# KiCad board CPU2908C3bak.kicad_pcb (continued)
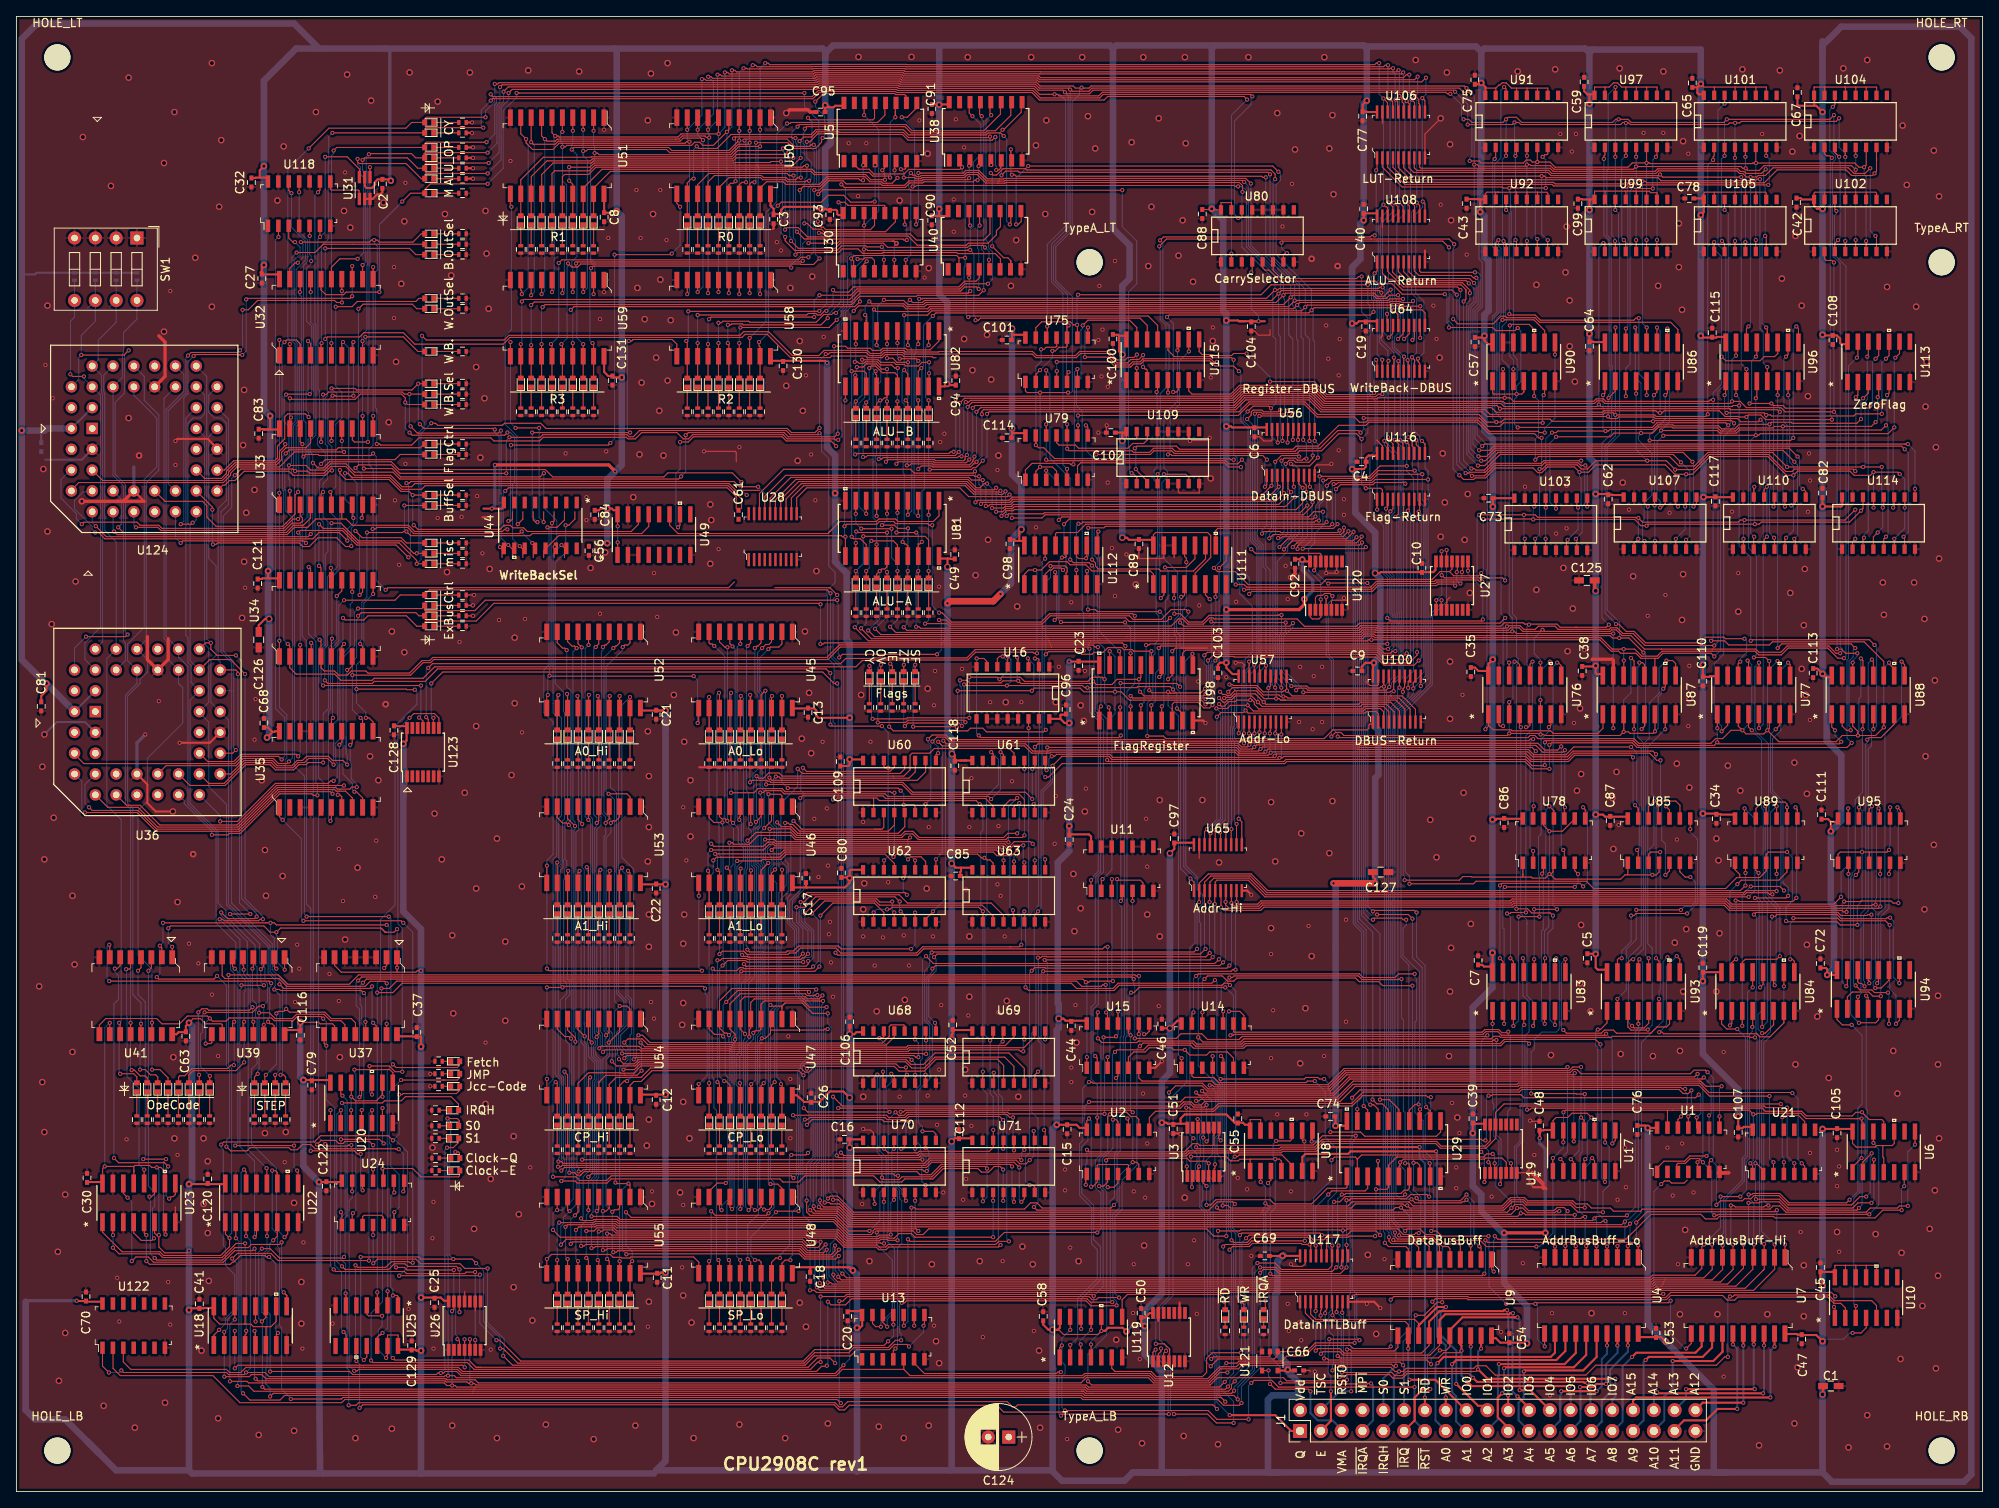
[diagram p0: board, top side]
## Routing (per net, layer and track width the routed paths; a pad name or vN(x,y) marks a point on that pad's centre or on a via; arc(x,y) is an arc through that point) (continued)
  Bottom w0.127: v1(100.06,127.56) 99.81,127.82 99.81,137.85 ; 99.81,137.85 99.81,138.17 ; 99.81,137.85 v1(99.81,139.75) ; v1(80.76,117.66) 80.51,117.91 80.51,124.26 81.01,124.76 v1(81.01,128.07)
Net-(U49-Pad11): length 37.8
  Top w0.127: 99.17,117.02 99.68,117.53 ; 99.17,117.02 100.52,118.37 104.96,118.37 105.27,118.67 107.32,118.67 107.63,118.37 111.92,118.37 112.62,119.06 U81.1 ; 99.17,117.02 99.05,116.89 80.76,116.89 79.74,117.91 79.74,118.67
Net-(U75-Pad3): length 153.5
  Top w0.127: U75.3 v1(125.7,136.82) ; 186.17,88.58 186.55,88.58 v1(186.55,88.63) ; 186.17,88.58 185,88.58 184.24,89.34 154.95,89.34 154.7,89.08 133.33,89.08 v1(133.14,89.27) ; 186.17,88.58 186.3,88.58 ; v1(131.28,112.99) 130.94,113.34 129.02,113.34 v1(128.64,113.72) ; v1(207.62,93.15) 207.62,94.54 207.74,94.54 ; 221.59,94.42 221.59,93.29 v1(221.98,92.89) ; v1(186.58,91.42) 186.78,91.62 197.34,91.62 197.92,91.05 207.23,91.05 v1(207.62,91.43) 207.8,91.24 222.49,91.24 v1(222.74,91.5)
  Bottom w0.127: v1(131.28,112.99) 131.53,112.74 131.53,99.69 131.94,99.29 131.94,95.43 133.14,94.23 v1(133.14,89.27) ; v1(186.58,91.42) 186.55,91.4 v1(186.55,88.63) ; v1(207.62,93.15) v1(207.62,91.43) ; v1(125.7,136.82) 126.14,136.38 126.14,126.12 128.64,123.63 v1(128.64,113.72) ; v1(221.98,92.89) 221.98,92.26 v1(222.74,91.5)
Net-(U75-Pad6): length 20.8
  Top w0.127: v1(129.02,125.34) 128.66,125.34 128.55,125.46 123.97,125.46 123.16,124.66 U79.1 ; U75.6 v1(129.51,136.98)
  Bottom w0.127: v1(129.51,136.98) 129.15,136.61 129.15,125.83 129.02,125.7 v1(129.02,125.34)
Net-(U76-Pad4): length 41
  Top w0.127: v1(183.63,93.27) 183.49,93.42 U76.4 ; 185.26,58.65 185.26,56.95 v1(185.14,56.82)
  Bottom w0.127: v1(183.63,93.27) 183.63,70.54 183.75,70.42 ; 184.37,69.4 184.37,69.27 ; 184.37,69.27 184.37,60.52 185.28,59.62 185.28,57.33 185.14,57.19 v1(185.14,56.82) ; 184.37,69.27 184.37,69.78 183.8,70.35 183.8,70.37 183.75,70.42 ; 183.75,70.42 183.87,70.3
Net-(U76-Pad7): length 42.9
  Top w0.127: v1(185.9,70.16) 185.9,70.16 v1(183.36,70.16) ; v1(182.72,56.82) 182.72,58.22 ; U76.7 187.29,93.51 v1(187.06,93.27)
  Bottom w0.127: v1(187.06,93.27) 187.06,92.76 186.1,91.81 186.1,80.21 185.8,79.92 185.8,75.19 185.9,75.1 v1(185.9,70.16) ; v1(183.36,70.16) 183.36,57.46 v1(182.72,56.82)
Net-(U76-Pad9): length 43.4
  Top w0.127: U76.9 188.56,100.78 188.2,101.15 v1(188.07,101.15) ; 185.26,62.79 v1(185.26,64.95) ; v1(188.06,71.05) v1(185.26,71.05)
  Bottom w0.127: v1(185.26,71.05) v1(185.26,64.95) ; v1(188.07,101.15) 187.56,100.64 187.56,71.54 v1(188.06,71.05)
Net-(U76-Pad12): length 42.6
  Top w0.127: v1(181.96,70.54) 182.31,70.54 182.44,70.67 v1(184.25,70.67) ; 182.72,63.38 182.72,64.71 v1(182.36,65.08) ; U76.12 184.75,100.96 v1(185.07,101.27)
  Bottom w0.127: v1(184.25,70.67) 184.25,92.24 185.07,93.06 v1(185.07,101.27) ; v1(181.96,70.54) 182.36,70.14 v1(182.36,65.08)
Net-(U77-Pad4): length 41.6
  Top w0.127: 213.2,58.86 213.09,58.75 v1(213.09,56.7) ; U77.4 211.43,93.29 v1(211.82,92.89)
  Bottom w0.127: v1(213.09,56.7) 213.73,57.33 213.73,71.81 213.22,72.32 213.22,83.22 213.02,83.42 213.02,91.69 v1(211.82,92.89)
Net-(U77-Pad7): length 46.3
  Top w0.127: v1(214.74,93.02) 215.24,93.51 U77.7 ; v1(215.76,73.33) 215.25,73.84 v1(211.69,73.84) ; v1(210.66,56.82) 210.66,58.73
  Bottom w0.127: v1(210.66,56.82) 210.66,72.81 v1(211.69,73.84) ; v1(214.74,93.02) 214.11,92.38 214.11,85.4 215.38,84.13 215.38,73.72 v1(215.76,73.33)
Net-(U77-Pad9): length 49.1
  Top w0.127: U84.12 213.2,61.89 v1(212.84,61.52) ; v1(216.27,72.7) 216,72.44 212.57,72.44 212.56,72.44 v1(212.2,72.44) ; v1(216.27,101.15) 216.5,100.91 U77.9
  Bottom w0.127: v1(216.27,72.7) 216.27,73.68 215.63,74.31 215.63,84.23 214.36,85.5 214.36,91.88 215.38,92.89 215.38,100.26 v1(216.27,101.15) ; v1(212.84,61.52) 212.84,61.88 212.71,62 212.71,71.94 v1(212.2,72.44)
Net-(U77-Pad12): length 45.5
  Top w0.127: U77.12 212.69,101.13 v1(212.71,101.15) ; 210.66,63.17 210.66,64.59 211.03,64.95 214.87,64.95 v1(215.25,65.33)
  Bottom w0.127: 213.85,84.26 213.85,91.24 212.26,92.83 212.26,93.1 212.2,93.16 212.2,100.64 v1(212.71,101.15) ; 213.85,84.26 213.85,84.13 ; 213.85,84.26 213.91,84.2 213.91,83.07 213.73,82.88 213.73,72.83 215.25,71.3 v1(215.25,65.33)
Net-(U79-Pad9): length 73.1
  Top w0.127: 129.51,128.96 129.59,129.04 v1(129.59,130.1) ; U90.8 v1(187.8,138.74) ; v1(186.55,129.21) 185.91,129.21 185.76,129.37 179.79,129.37 178.42,130.74 164.96,130.74 164.71,130.48 163.94,130.48 163.31,131.12 158.77,131.12 157.18,132.7 150.55,132.7 149.15,131.31 129.59,131.31 v1(129.59,131.3)
  Bottom w0.127: v1(187.8,138.74) 187.8,130.98 186.55,129.72 v1(186.55,129.21) ; v1(129.59,131.3) 129.59,130.1 v1(129.59,130.1)
Net-(U79-Pad10): length 71.4
  Top w0.127: v1(128.26,127.25) 128.51,127 136.17,127 136.37,126.8 138.31,126.8 138.81,127.31 141.08,127.31 141.46,126.93 156.07,126.93 156.45,127.31 159.12,127.31 161.27,129.46 163.82,129.46 v1(164.07,129.21) ; v1(186.29,130.42) 181.53,130.42 181.09,129.98 179.61,129.98 178.6,130.99 v1(164.45,130.99) ; v1(128.26,130.23) 128.24,130.21 U79.10 ; v1(186.42,133.79) 186.53,133.9 U90.6
  Bottom w0.127: v1(186.29,130.42) 186.29,133.66 v1(186.42,133.79) ; v1(128.26,130.23) v1(128.26,127.25) ; v1(164.07,129.21) 164.45,129.59 v1(164.45,130.99)
Net-(U83-Pad9): length 25.6
  Top w0.127: U83.9 v1(189.07,64.95) ; 201.79,58.22 201.79,57.08 201.41,56.7 200.26,56.7 199.5,55.94 195.31,55.94 194.94,56.31 193.83,56.31 193.46,55.94 189.2,55.94 v1(188.82,56.32)
  Bottom w0.127: v1(189.07,64.95) 188.58,64.46 188.58,56.57 188.82,56.33 v1(188.82,56.32)
Net-(U84-Pad7): length 29.9
  Top w0.127: v1(202.66,65.33) 203.04,64.95 U93.9 ; v1(200.52,56.06) 200.87,56.06 201.07,55.87 212.41,55.87 212.79,55.49 214.05,55.49 215.74,57.19 U84.7
  Bottom w0.127: v1(202.66,65.33) 201.41,64.08 201.41,56.95 v1(200.52,56.06)
Net-(U84-Pad9): length 34
  Top w0.127: U94.7 229.84,57.49 v1(229.42,57.08) ; v1(228.65,69.14) 228.15,69.65 222.63,69.65 222.32,69.96 v1(216.9,69.96) ; v1(216.52,64.95) 216.78,64.95 217.01,64.71 217.01,62.92
  Bottom w0.127: v1(216.52,64.95) 216.52,69.27 216.9,69.65 v1(216.9,69.96) ; v1(228.65,69.14) 228.65,61.33 229.42,60.56 v1(229.42,57.08)
Net-(U86-Pad7): length 41.6
  Top w0.127: v1(199.36,128.26) 216.56,128.26 v1(216.89,128.58) ; U96.9 217.52,141.91 v1(217.27,142.17) ; v1(201.26,133.79) 201.52,134.04 U86.7
  Bottom w0.127: v1(199.36,128.26) 199.36,128.96 201.26,130.87 v1(201.26,133.79) ; v1(217.27,142.17) 216.89,141.79 v1(216.89,128.58)
Net-(U87-Pad4): length 42.4
  Top w0.127: U87.4 v1(197.46,93.02) ; v1(197.22,56.82) 197.47,56.57 198.68,56.57 199.25,57.14 199.25,57.97
  Bottom w0.127: v1(197.22,56.82) 196.76,57.28 196.76,65.13 198.34,66.71 198.34,90.63 197.46,91.51 v1(197.46,93.02)
Net-(U87-Pad7): length 44.4
  Top w0.127: 201.26,94.85 v1(201.26,93.02) ; v1(199.12,56.38) 199.06,56.32 197.09,56.32 196.69,56.71 U93.3
  Bottom w0.127: v1(201.26,93.02) 199.12,90.88 199.12,66.86 199.67,66.31 199.67,56.93 v1(199.12,56.38)
Net-(U87-Pad9): length 42.7
  Top w0.127: U87.9 202.53,101.04 202.17,101.4 v1(201.41,101.4) ; 199.23,62.67 v1(199.23,65.08)
  Bottom w0.127: v1(199.23,65.08) 198.87,65.44 198.87,91.49 199.31,91.94 199.31,96.24 200.52,97.44 200.52,100.51 v1(201.41,101.4)
Net-(U87-Pad12): length 41.1
  Top w0.127: v1(198.11,101.15) 198.49,101.15 198.72,100.91 U87.12 ; v1(197.34,64.95) 197.09,64.95 196.69,64.56 U93.14
  Bottom w0.127: v1(198.11,101.15) 198.11,100.79 197.9,100.59 197.9,92.08 198.61,91.37 198.61,66.22 v1(197.34,64.95)
Net-(U88-Pad4): length 41.9
  Top w0.127: v1(224.9,57.21) 226.94,57.21 227.3,57.57 227.3,58.22 ; v1(225.34,93.02) 225.4,93.08 U88.4
  Bottom w0.127: v1(225.34,93.02) 225.34,85.32 224.46,84.45 224.46,75.85 224.07,75.45 224.07,75.15 223.89,74.98 223.89,58.22 v1(224.9,57.21)
Net-(U88-Pad7): length 38.8
  Top w0.127: U88.7 229.21,93.63 227.58,92 226.17,92 v1(225.92,91.75) ; 224.76,58.73 224.78,58.75 v1(224.78,60.38)
  Bottom w0.127: v1(225.92,91.75) 225.92,91.4 225.73,91.21 225.73,71.12 225.15,70.53 225.15,60.75 v1(224.78,60.38)
Net-(U88-Pad9): length 44
  Top w0.127: v1(230.11,101.27) 230.47,100.91 U88.9 ; v1(227.13,62.03) 227.3,62.2 U94.12
  Bottom w0.127: v1(227.13,62.03) 227.26,62.16 227.26,70.47 228.08,71.29 228.08,92.52 230.11,94.55 v1(230.11,101.27)
Net-(U88-Pad12): length 46.4
  Top w0.127: 224.76,62.41 U94.14 224.76,62.19 224.95,62.01 225.23,62.01 v1(225.59,61.65) ; U88.12 226.66,101.34 v1(226.48,101.53)
  Bottom w0.127: v1(226.48,101.53) 226.05,101.1 226.05,93.02 226.43,92.64 226.43,90.99 226.05,90.61 226.05,70.88 225.47,70.3 225.47,62.35 225.59,62.23 v1(225.59,61.65)
Net-(U90-Pad10): length 11.7
  Top w0.127: 185.28,140.39 185.28,141.79 184.64,142.42 182.41,142.42 v1(182.29,142.3) ; 182.72,135.49 v1(182.72,136.96)
  Bottom w0.127: v1(182.72,136.96) 182.72,138.1 182.29,138.54 v1(182.29,142.3)
Net-(U100-Pad1): length 73.3
  Top w0.127: v1(139.18,134.17) 139.29,134.28 139.29,135.63 ; v1(138.04,92.19) 140.01,92.19 140.32,91.88 159.64,91.88 160.7,92.95 164.89,92.95 165.09,93.15 165.09,93.53 165.21,93.65 165.59,93.65
  Bottom w0.127: v1(139.18,134.17) 139.18,133.81 139.24,133.75 139.24,124.98 138.86,124.6 138.86,123.44 139.31,122.99 139.31,114.1 139.12,113.91 139.12,107.18 139.43,106.86 139.43,103.94 138.98,103.49 138.98,102.23 138.73,101.98 138.73,96.89 138.04,96.2 v1(138.04,92.19)
Net-(U103-Pad2): length 160.3
  Top w0.127: v1(210.81,116.26) 210.81,115.12 ; U114.2 224.12,115.93 v1(224.45,116.26) ; U79.13 v1(124.43,127.69) ; 124.45,128.83 124.45,127.67 124.76,127.36 125.41,127.36 126.73,126.04 148.1,126.04 148.22,125.91 v1(148.58,125.91) ; v1(125.08,139.37) 125.43,139.37 125.69,139.63 126.86,139.63 126.99,139.75 126.99,140.39 ; v1(178.93,111.05) 178.58,111.05 178.39,111.24 173.27,111.24 173.09,111.05 166,111.05 165.29,110.35 150.18,110.35 149.86,110.67 v1(148.83,110.67) ; v1(197.98,116.26) 197.46,115.74 197.46,114.99 ; v1(224.45,119.82) 223.18,118.55 v1(210.93,118.55) 210.43,118.55 210.18,118.29 198.49,118.29 v1(197.98,118.8) 197.7,118.8 197.63,118.88 185.71,118.88 185.41,119.18 v1(184.01,119.18) v1(178.55,119.18) ; U103.2 v1(184.12,116.26)
  Bottom w0.127: v1(148.58,125.91) 148.58,110.93 v1(148.83,110.67) ; v1(125.08,139.37) 125.08,137.9 124.45,137.26 124.45,127.71 v1(124.43,127.69) ; v1(184.01,119.18) 184.01,116.37 v1(184.12,116.26) 183.99,116.13 ; v1(210.93,118.55) 210.81,118.42 v1(210.81,116.26) ; v1(224.45,116.26) v1(224.45,119.82) ; v1(197.98,116.26) v1(197.98,118.8) ; v1(178.93,111.05) 178.3,111.68 178.3,118.93 v1(178.55,119.18)
Net-(U103-Pad14): length 151.5
  Top w0.127: U27.11 175.23,112.56 174.92,112.26 ; 174.92,112.26 175.43,111.75 178.48,111.75 v1(178.8,112.07) ; 174.92,112.26 173.78,112.26 172.83,111.31 165.87,111.31 159.88,111.31 159.24,110.67 150.35,110.67 148.77,112.26 146.61,112.26 v1(146.16,112.7) ; v1(146.54,137.85) 146.14,137.85 145.76,138.23 137.53,138.23 137.15,137.85 136.26,137.85 135.88,137.47 134.25,137.47 133.29,138.43 v1(130.41,138.43) ; v1(212.14,122.61) 212.06,122.53 U110.14 ; v1(199.12,120.2) 198.72,120.59 U107.14 ; v1(185.28,120.2) 185.39,120.31 U103.14 ; v1(179.06,118.67) 185.1,118.67 v1(185.15,118.62) 197.52,118.62 198.29,117.85 v1(198.98,117.85) 199.17,118.04 v1(212.2,118.04) 212.71,118.04 212.97,118.29 223.76,118.29 v1(225.16,119.69) 225.4,119.93 U114.14 ; U75.8 130.78,142.03 v1(130.8,142.04)
  Bottom w0.127: v1(198.98,117.85) 199.12,117.99 v1(199.12,120.2) ; v1(146.16,112.7) 146.98,113.53 146.98,137.41 v1(146.54,137.85) ; v1(130.8,142.04) 130.41,141.66 v1(130.41,138.43) ; v1(212.2,118.04) 212.14,118.11 v1(212.14,122.61) ; v1(178.8,112.07) 179.06,112.32 v1(179.06,118.67) ; v1(185.28,120.2) 185.15,120.07 v1(185.15,118.62)
Net-(U106-Pad1): length 56.6
  Top w0.127: v1(165.97,161.22) 166.08,161.32 U106.1 ; v1(140.57,134.1) 140.56,134.12 U115.5 ; v1(139.6,152.67) 140.02,153.09 165.25,153.09 165.43,153.28 v1(165.79,153.28)
  Bottom w0.127: v1(139.6,152.67) 139.94,152.33 139.94,143.06 140.7,142.3 140.7,136.96 140.57,136.83 v1(140.57,134.1) ; v1(165.79,153.28) 165.97,153.46 v1(165.97,161.22)
Net-(U108-Pad1): length 42.6
  Top w0.127: v1(165.65,143.95) 165.27,143.56 140.7,143.56 v1(140.45,143.31) ; 166.1,149.28 166.1,148.96 v1(165.79,148.65) ; U115.6 141.83,134.41 141.59,134.17 v1(141.21,134.17)
  Bottom w0.127: v1(165.79,148.65) 165.41,148.26 165.41,145.47 165.65,145.22 v1(165.65,143.95) ; v1(141.21,134.17) 141.21,142.55 v1(140.45,143.31)
Net-(U109-Pad4): length 105.9
  Top w0.127: v1(175.5,152.2) 174.86,152.84 165.35,152.84 140.39,152.84 v1(139.5,151.95) ; U86.9 202.79,141.43 202.81,141.45 202.81,141.8 201.92,142.68 185.91,142.68 185.36,143.23 181.93,143.23 181.74,143.42 181.19,143.42 180.26,142.49 175.94,142.49 v1(175.37,143.06) ; v1(139.31,124.13) 139.29,124.12 139.29,122.99
  Bottom w0.127: v1(139.5,151.95) 139.5,151.59 139.62,151.47 139.62,143.02 140.32,142.32 140.32,134.68 139.62,133.97 139.62,124.45 v1(139.31,124.13) ; v1(175.5,152.2) 175.5,151.84 175.37,151.71 v1(175.37,143.06)
Net-(U109-Pad14): length 13.7
  Top w0.127: 138.03,129.34 138.03,128.32 137.6,127.89 136.26,127.89 135.68,127.31 129.65,127.31 129.27,127.69 127.27,127.69 126.97,127.99 U79.11
Net-(U111-Pad4): length 25.2
  Top w0.127: v1(134.73,95.69) 134.72,95.67 U98.3 ; v1(142.04,98.2) 141.64,98.61 134.82,98.61 ; v1(142.18,109.17) 142.38,109.17 142.59,109.39 U111.4
  Bottom w0.127: v1(134.78,98.65) 134.78,95.73 v1(134.73,95.69) ; v1(142.04,98.2) 142.04,98.56 142.04,98.56 142.04,104.51 141.6,104.95 141.6,106.28 142.1,106.78 142.1,108.74 142.18,108.82 v1(142.18,109.17)
Net-(U111-Pad7): length 26.7
  Top w0.127: U111.7 146.4,109.19 v1(146.36,109.15) ; v1(145.15,96.7) 145.02,96.83 136.25,96.83 v1(136,97.08) ; v1(136,95.81) 136,94.29
  Bottom w0.127: v1(136,97.08) v1(136,95.81) ; v1(145.15,96.7) 145.78,97.34 145.78,101.13 145.91,101.25 145.91,105.58 146.42,106.08 146.42,108.65 146.36,108.71 v1(146.36,109.15)
Net-(U111-Pad9): length 27.6
  Top w0.127: v1(146,95.97) 145.66,95.63 144.94,95.63 144.25,96.32 141.33,96.32 141.08,96.07 141.08,95.56 141.07,95.54 U98.8 ; U111.9 147.67,113.58 v1(146.8,112.7)
  Bottom w0.127: v1(146,95.97) 146.29,96.26 146.29,100.62 146.8,101.13 v1(146.8,112.7)
Net-(U111-Pad12): length 24.9
  Top w0.127: U98.7 139.8,95.8 v1(139.81,95.81) ; v1(140.19,112.76) 142.79,112.76 143.86,113.83 U111.12
  Bottom w0.127: v1(139.81,95.81) 140.06,96.06 140.06,99.59 140.25,99.78 140.25,108.68 140.57,109 140.57,112.39 v1(140.19,112.76)
Net-(U112-Pad4): length 31.6
  Top w0.127: v1(126.73,106.35) 126.98,106.6 135.4,106.6 135.84,106.17 140.39,106.17 v1(140.83,106.61) ; U98.13 141.07,99.61 v1(140.57,99.11) ; v1(126.8,112.18) 126.84,112.14 U112.4
  Bottom w0.127: v1(140.57,99.11) 140.57,106.35 v1(140.83,106.61) ; v1(126.8,112.18) 126.98,112 126.98,106.6 v1(126.73,106.35)
Net-(U112-Pad7): length 25.2
  Top w0.127: v1(130.8,107.62) 131.69,107.62 131.94,107.37 v1(139.56,107.37) ; v1(130.68,112.32) 130.65,112.3 130.65,110.72 ; v1(139.51,99.4) 139.56,99.4 139.8,99.64 U98.14
  Bottom w0.127: v1(130.68,112.32) 130.8,112.2 v1(130.8,107.62) ; v1(139.51,99.4) 140,99.89 140,106.93 v1(139.56,107.37)
Net-(U112-Pad9): length 19.2
  Top w0.127: v1(132.07,117.15) 131.92,117.01 U112.9 ; v1(134.61,102.54) 134.72,102.43 U98.18
  Bottom w0.127: v1(134.61,102.54) 132.19,104.96 132.19,113.95 132.07,114.08 v1(132.07,117.15)
Net-(U112-Pad12): length 23.8
  Top w0.127: 128.13,115.88 128.13,114.1 128,113.97 127.62,113.97 v1(127.62,113.97) ; v1(127.49,106.1) 127.54,106.06 v1(135.32,106.06) ; v1(136,102.29) 135.99,102.27 U98.17
  Bottom w0.127: v1(135.32,106.06) 136,105.38 v1(136,102.29) ; v1(127.62,113.97) 127.24,113.59 127.24,106.35 v1(127.49,106.1)
Net-(U115-Pad7): length 41.9
  Top w0.127: U116.1 166.08,119.84 v1(166.1,119.82) ; U115.7 143.1,134.31 143.5,133.91 148.23,133.91 149.3,134.99 158.42,134.99 158.49,134.99 159.88,133.6 165.92,133.6 166.22,133.91 v1(166.74,133.91)
  Bottom w0.127: v1(166.74,133.91) 166.1,133.27 v1(166.1,119.82)
Net-(U115-Pad9): length 31.3
  Top w0.127: U115.9 144.37,139.11 144.74,138.74 145.97,138.74 146.1,138.61 148.32,138.61 148.58,138.87 v1(150.16,138.87) ; U64.1 166.08,138 v1(165.97,138.1) ; v1(165.72,134.04) 165.53,133.85 159.98,133.85 158.48,135.36 158.48,135.44 v1(153.02,135.44)
  Bottom w0.127: v1(165.97,138.1) 165.72,137.85 v1(165.72,134.04) ; v1(150.16,138.87) 153.02,136 v1(153.02,135.44)
Net-(U115-Pad10): length 32.3
  Top w0.127: v1(143.12,139.12) 143.1,139.14 U115.10 ; v1(152.39,122.61) 152.62,122.84 U56.1 ; v1(140.57,126.55) 140.93,126.55 141.06,126.42 152.13,126.42 v1(152.64,125.91)
  Bottom w0.127: v1(152.64,125.91) 152.39,125.66 v1(152.39,122.61) ; v1(140.57,126.55) 140.82,126.8 140.82,131.5 141.97,132.64 141.97,137.98 v1(143.12,139.12)
Net-(U115-Pad11): length 70.1
  Top w0.127: U115.11 141.83,139.36 v1(141.72,139.25) ; v1(143.31,74.8) 143.75,74.36 143.75,73.72
  Bottom w0.127: v1(143.31,74.8) 142.1,76.01 142.1,97.49 141.6,97.99 141.6,104.31 141.34,104.57 141.34,106.38 141.84,106.88 141.84,108.86 141.74,108.96 141.74,112.17 139.81,114.1 139.81,123.12 140.51,123.81 140.51,124.46 140.07,124.9 140.07,131.37 141.72,133.02 v1(141.72,139.25)
Net-(U115-Pad12): length 58.4
  Top w0.127: v1(148.58,138.1) 148.33,138.35 146,138.35 145.87,138.48 141.34,138.48 140.56,139.26 U115.12 ; U57.1 v1(149.19,92.53)
  Bottom w0.127: v1(149.19,92.53) 149.59,92.93 149.59,100.51 149.97,100.89 149.97,101.53 150.86,102.42 150.86,108 149.34,109.53 149.34,110.82 149.01,111.15 149.01,125.69 149.02,125.7 149.02,126.12 148.58,126.56 v1(148.58,138.1)
Net-(U115-Pad15): length 137.2
  Top w0.127: v1(130.29,102.61) 129.93,102.61 129.81,102.74 117.04,102.74 116.02,101.72 104.56,101.72 104.5,101.66 101.22,101.66 100.59,101.02 50.79,101.02 v1(50.28,100.51) ; v1(130.16,142.3) 130.8,142.93 135.88,142.93 136.76,142.04 136.76,141.03 ; U123.10 50.28,94.23 v1(50.02,94.49)
  Bottom w0.127: v1(50.02,94.49) 50.02,100.26 v1(50.28,100.51) ; v1(130.29,102.61) 130.29,107.24 130.1,107.43 130.1,131.81 129.4,132.52 129.4,135.31 129.95,135.86 129.95,141.73 130.16,141.94 v1(130.16,142.3)
Net-(U118-Pad8): length 5.4
  Top w0.127: 41.82,157.86 41.82,158.73 41.75,158.81 38.45,158.81 38.32,158.93 U118.8
Net-(U118-Pad11): length 132
  Top w0.127: v1(42.02,41.2) 41.64,41.2 41.26,41.58 v1(35.93,41.58) ; 42.26,38.16 v1(42.26,36.76) ; U118.11 v1(34.51,158.55)
  Bottom w0.127: v1(42.26,36.76) 42.02,37 v1(42.02,41.2) ; v1(34.51,158.55) 34.51,153.74 35.55,152.71 35.55,150.1 35.04,149.6 35.04,130.74 35.35,130.42 35.35,126.63 35.48,126.5 35.48,118.86 34.9,118.28 34.9,104.34 35.42,103.81 35.42,71.68 35.93,71.17 v1(35.93,41.58)
Net-(U120-Pad1): length 56.4
  Top w0.127: U79.3 v1(125.7,124.58) ; v1(127.24,118.55) 127.62,118.93 157.73,118.93 158.37,119.56 v1(159.48,119.56) ; 159.24,106.99 159.24,106.73 158.99,106.48 158.18,106.48 157.91,106.74 U120.1 ; U120.3 v1(159.21,108.86)
  Bottom w0.127: v1(159.48,119.56) 159.48,117.89 158.48,116.89 158.48,115.75 157.72,114.99 157.72,112.44 159.21,110.95 v1(159.21,108.86) ; v1(127.24,118.55) 127.24,123.04 v1(125.7,124.58)
Net-(U120-Pad12): length 57.4
  Top w0.127: v1(150.74,114.99) 151.24,114.48 159.12,114.48 159.24,114.36 159.24,113.85 ; v1(126.99,136.71) 126.99,135.44 ; v1(126.99,137.85) 133.51,137.85 134.14,137.21 136,137.21 136.38,137.6 137.26,137.6 137.64,137.98 145.66,137.98 146.29,137.34 148.58,137.34 v1(149.21,136.71)
  Bottom w0.127: v1(150.74,114.99) 150.34,115.39 150.34,129.74 149.46,130.62 149.46,136.46 v1(149.21,136.71) ; v1(126.99,137.85) v1(126.99,136.71)
Net-(U122-Pad2): length 252
  Top w0.127: 11.8,17.45 11.8,15.04 12.69,14.15 23.99,14.15 27.29,10.85 39.7,10.85 40.08,11.23 100.19,11.23 v1(100.63,10.79) ; 137,55.95 v1(137,55.82) ; 137,55.95 U15.9 ; 137,55.95 137,57.06 ; v1(134.61,23.68) 132.07,23.68 131.81,23.42 131.29,23.42 130.91,23.8 101.44,23.8 100.87,23.23 v1(100.44,23.23) ; U17.6 v1(193.9,37.79) ; v1(137.13,54.34) 137.51,54.72 141.22,54.72 143.56,54.72 143.94,54.35 149.66,54.35 149.97,54.67 181.09,54.67 181.6,55.17 192.74,55.17 v1(193.35,54.57)
  Bottom w0.127: v1(137,55.82) 137.13,55.7 v1(137.13,54.34) 136.76,53.98 136.76,39.81 134.97,38.01 134.97,34.45 134.1,33.58 134.1,24.19 v1(134.61,23.68) ; v1(193.35,54.57) 193.35,54.22 193.47,54.09 193.47,38.21 v1(193.9,37.79) ; v1(100.44,23.23) 100.44,10.98 v1(100.63,10.79)
Net-(U122-Pad3): length 161.2
  Top w0.127: U122.3 13.05,15.82 13.96,14.91 25.64,14.91 26.02,14.53 27.39,14.53 28.02,15.17 40.33,15.17 40.33,15.17 42.4,15.17 42.4,15.17 53.94,15.17 54.45,14.66 97.65,14.66 98.28,15.29 98.85,15.29 ; v1(134.22,50.47) 134.46,50.71 U15.4 ; v1(99.05,23.17) 99.43,22.79 101.2,22.79 101.95,23.53 130.69,23.53 131.1,23.11 v1(133.77,23.11)
  Bottom w0.127: v1(133.77,23.11) 133.52,23.36 133.52,35.41 134.03,35.93 134.03,41.27 134.35,41.58 134.35,50.35 v1(134.22,50.47) ; v1(98.92,15.36) 99.05,15.49 v1(99.05,23.17)
Net-(U123-Pad9): length 137.8
  Top w0.127: v1(99.97,65.75) 100.27,65.46 109.97,65.46 110.73,66.22 132.59,66.22 132.84,66.48 v1(133.19,66.48) ; U15.3 v1(133.19,53.01) ; v1(100.19,98.61) 99.81,98.61 98.41,100 65.52,100 52.04,100 v1(50.64,98.61) ; 50.9,93.4 v1(50.9,94.42)
  Bottom w0.127: v1(50.9,94.42) 50.64,94.67 v1(50.64,98.61) ; v1(99.97,65.75) 100.32,66.09 100.32,98.48 v1(100.19,98.61) ; v1(133.19,53.01) 133.46,53.28 133.46,62.01 133.19,62.28 v1(133.19,66.48)

## Copper pours and planes (outline as drawn; the poured copper is in the pictures)
+5V on Bottom: 241.16,0.18 10.27,0.06 10.27,2.59 11.16,3.48 119.35,3.48 119.35,7.8 119.99,8.44 122.65,8.44 123.29,7.8 123.29,3.48 124.45,2.21 149.85,2.21 151.24,3.55 151.24,11.29 152.12,12.25 156.94,12.25 157.7,11.61 157.7,9.45 154.78,9.45 154.78,3.74 156.83,1.96 236.84,1.96 238.37,3.48 238.37,6.41 237.84,7.04 237.48,170.24 238.11,170.87 238.11,177.09 236.97,178.24 232.14,178.24 230.37,176.2 39.61,176.46 34.02,176.46 32.37,178.11 32.37,181.16 47.85,181.03 47.85,181.16 241.54,181.28
GND on Top: 241,181 241,180.52 241.67,180.52 241.67,-0.96 -0.9,-0.96 -0.9,-0.2 -1,-0.2 -1,181 29.43,181 29.43,180.52 45.05,180.52 45.05,181.14
GND on Bottom: 31.74,177.73 31.74,179.89 -0.14,179.89 -0.14,5.13 118.6,5.13 118.6,8.82 119.11,9.45 124.45,9.45 124.45,4.5 150.35,4.5 150.35,13.64 184.39,13.64 184.39,11.1 188.2,11.1 188.2,13.64 206.62,13.64 206.62,3.61 231.51,3.61 231.51,6.66 233.67,8.82 236.59,8.82 236.59,167.57 228.9,175.63 33.77,175.57

## Text on the board
F.SilkS: Clock-Q | Clock-E | Fetch | JMP | Jcc-Code | OpeCode | STEP | IRQH | R3 | R1 | A0_Hi | A1_Hi | CP_Hi | SP_Hi | R0 | R2 | A1_Lo | A0_Lo | CP_Lo | SP_Lo | Flags | ALU-A | ALU-B | FlagRegister | Addr-Hi | CarrySelector | Addr-Lo | Register-DBUS | DataIn-DBUS | DataInTTLBuff | DBUS-Return | LUT-Return | ALU-Return | WriteBack-DBUS | Flag-Return | DataBusBuff | AddrBusBuff-Lo | AddrBusBuff-Hi | ZeroFlag | CY | ALU_OP | M | B.OutSel | W.OutSel | W.B. | W.B.Sel | FlagCtrl | BuffSel | misc | ExBusCtrl | ~{RD} | ~{WR} | ~{IRQA} | Vdd | Q | ~{TSC} | E | ~{RSTO} | VMA | ~{MPI} | S0 | S1 | ~{IRQ} | ~{RST} | A0 | IO0 | A1 | IO1 | A2 | IO2 | A3 | IO3 | A4 | IO4 | A5 | IO5 | A6 | IO6 | A7 | IO7 | A8 | A15 | A9 | A14 | A10 | A13 | A11 | A12 | GND | OV | IE | ZF | SF | WriteBackSel | CPU2908C rev1
